# Altium PCB controller_V1.1.PcbDoc (part 4 of 7)
Units mil, origin at the board's own origin, x right, y up, seen from the top; angles counter-clockwise.
Board outline 9606 x 5905.51 mil, 2 copper layers (Top Layer, Bottom Layer); 439 components, 370 nets, 1496 pads, 8411 vias.
Unrouted connection lines stored in the file: 1.
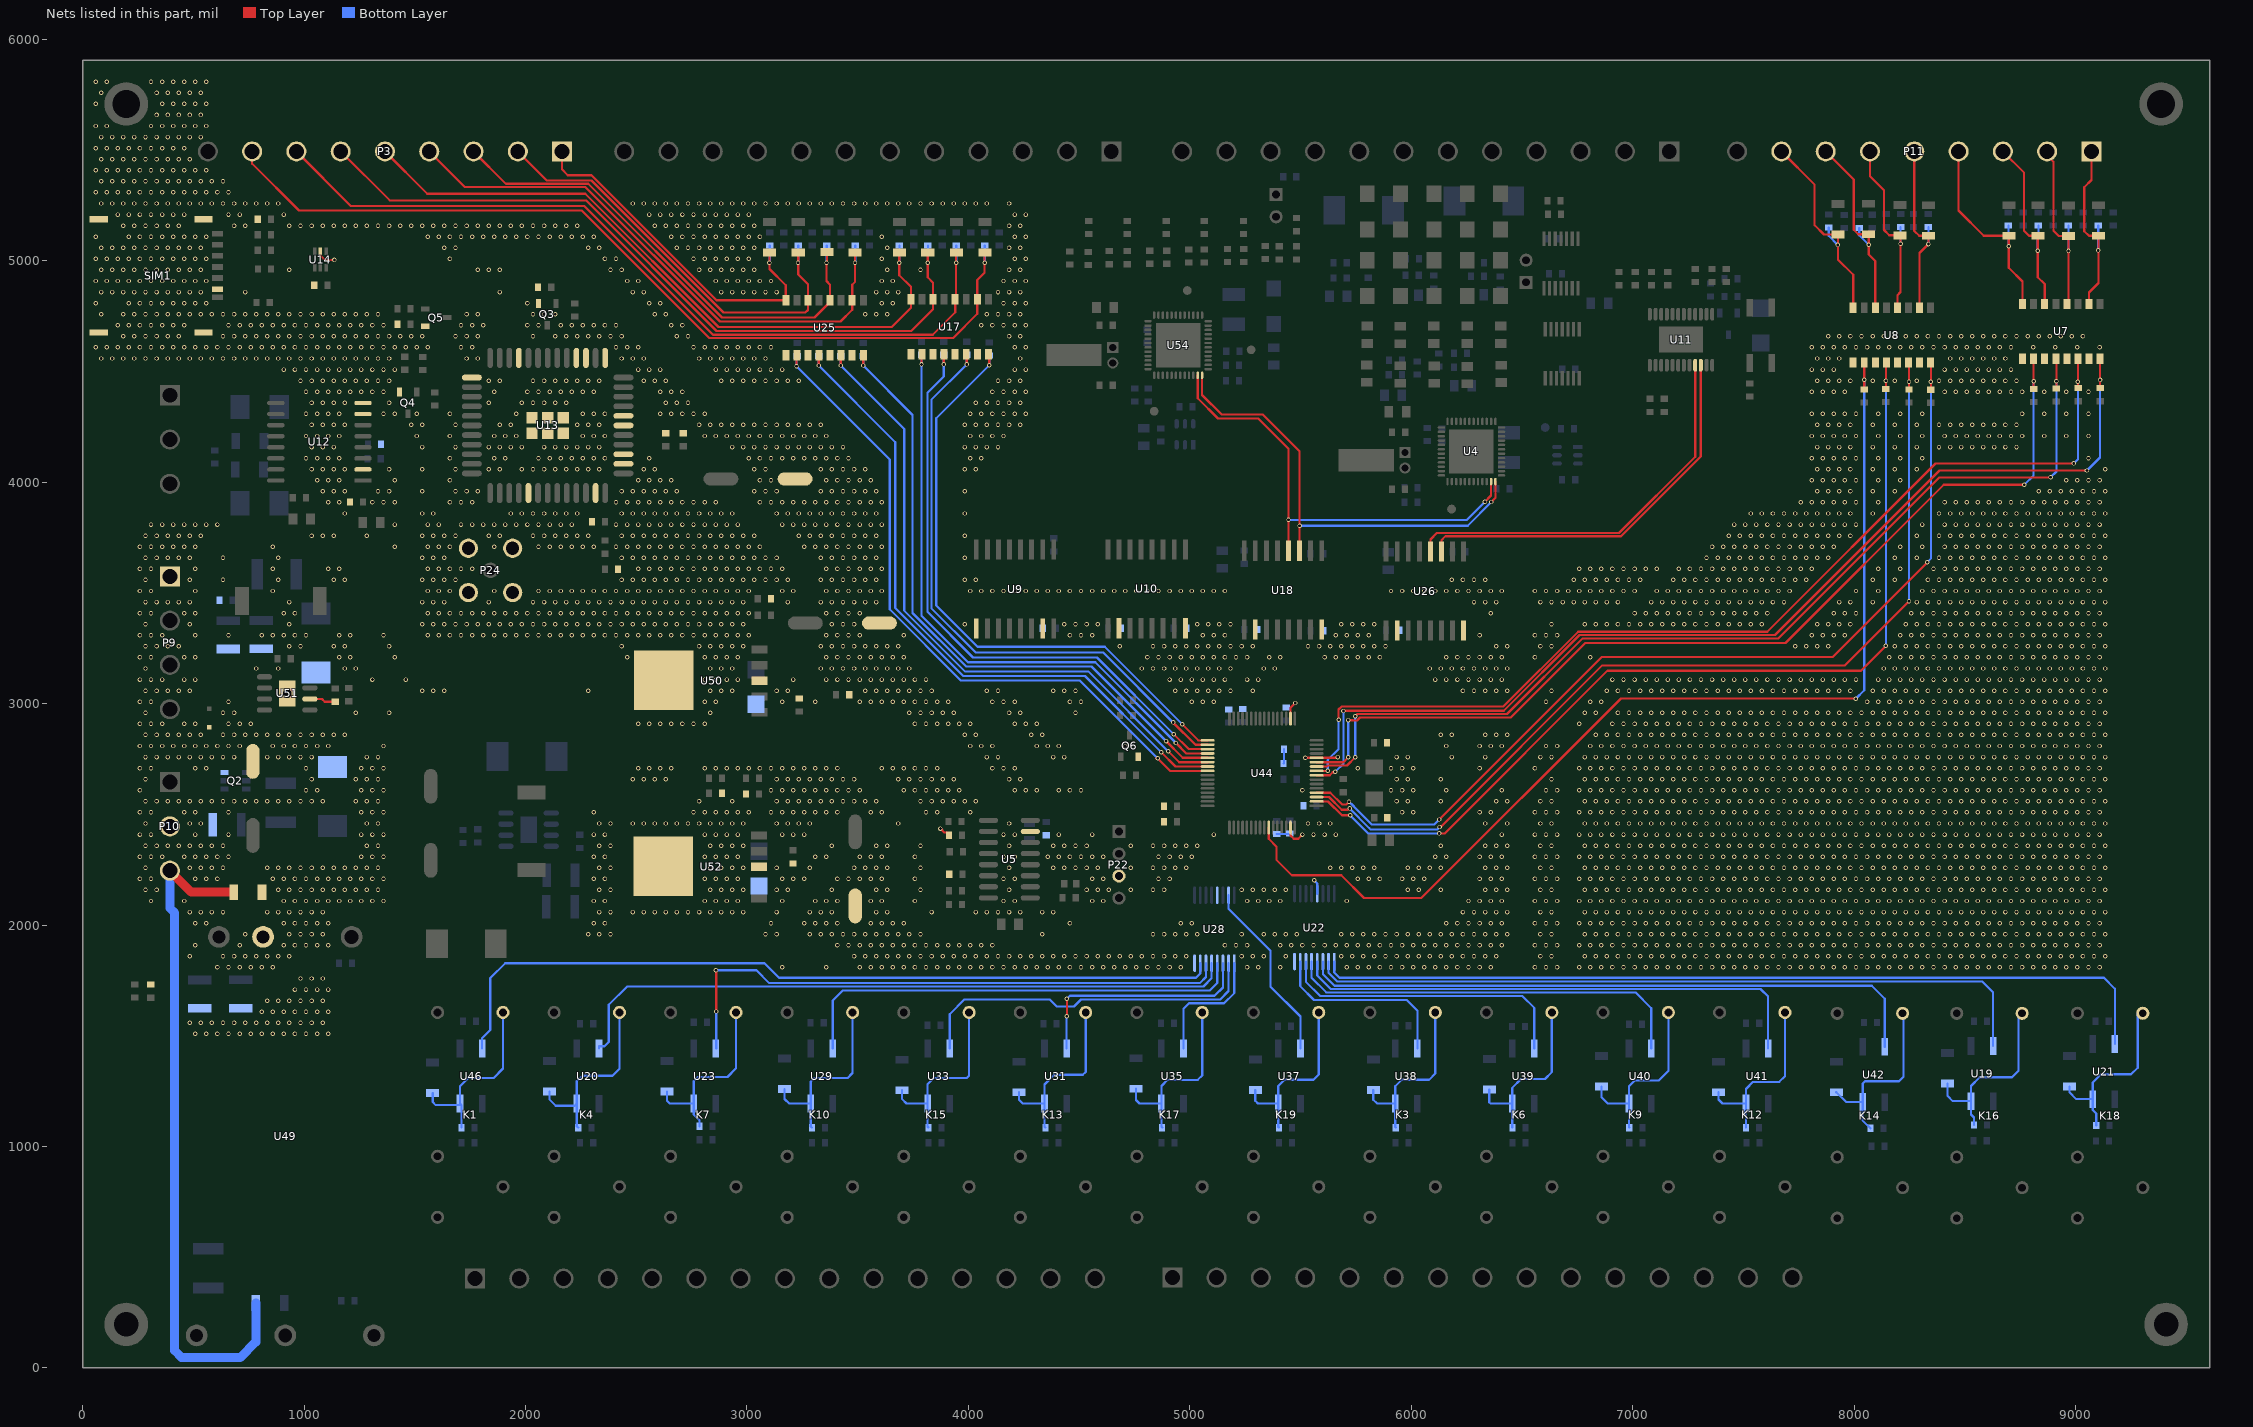
[diagram p4: the nets of this part, all layers, seen from the top]

## Via types
v1: diameter 20, hole 12, Top Layer to Bottom Layer, tented both sides, 8291 vias
v2: diameter 23.62, hole 11.81, Top Layer to Bottom Layer, 50 vias
v3: diameter 40, hole 25, Top Layer to Bottom Layer, tented both sides, 48 vias
v4: diameter 30, hole 20, Top Layer to Bottom Layer, tented both sides, 16 vias
v5: diameter 60, hole 40, Top Layer to Bottom Layer, tented both sides, 4 vias
v6: diameter 59.06, hole 39.37, Top Layer to Bottom Layer, 2 vias

## Nets (pads, with @x,y where several pads share a name; then routed paths per layer and width w, separated by ;. In a path a pad name is that pad's centre, name@x,y a point inside that pad or via, vN(x,y) a via of type N, cw(c..) or ccw(c..) an arc to the next point about the centre after c; other vN are vias at no path point) (continued)
DI_0: C108.2 D4.1 P3.4 U25.2 | length 2593.7
  Top Layer w10: P3.4@1565.35,5494 1726.35,5333 2271,5333 2878,4726 3423,4726 3475.5,4778.5 U25.2@3475.5,4822.11 3475.5,4892.5 3488.61,4905.61 D4.1@3488.61,5038.21
  Bottom Layer w10: v1(3488.18,4990.97) 3489.18,4991.97 C108.2@3489.18,5069.06
DI_1: C56.2 D13.1 P3.3 U25.4 | length 2260.1
  Top Layer w10: P3.3@1765.35,5494 1911.35,5348 2283,5348 2887,4744 3305.27,4744 3375.5,4814.24 U25.4@3375.5,4822.11 3375.5,4892.5 3359.32,4908.68 v1(3359.32,4990.97) ; v1@3361.61,4990.97 D13.1@3361.61,5039.21
  Bottom Layer w10: v1(3359.32,4990.97) 3360.32,4991.97 C56.2@3360.32,5069.06
DI_2: C63.2 D14.1 P3.2 U25.6 | length 1973.3
  Top Layer w10: P3.2@1965.35,5494 2096.35,5363 2298,5363 2894.6,4766.4 3264,4766.4 3275.5,4777.91 U25.6@3275.5,4822.11 3275.5,4894.5 3231.61,4938.39 D14.1@3231.61,5038.21
  Bottom Layer w10: v1(3230.46,4990.97) 3231.46,4991.97 C63.2@3231.46,5069.06
DI_3: C65.2 D15.1 P3.1 U25.8 | length 1661.3
  Top Layer w10: P3.1@2165.35,5494 2165.35,5412.65 2191,5387 2297.67,5387 2862.56,4822.11 U25.8@3175.5,4822.11 3175.5,4889.5 3101.61,4963.39 D15.1@3101.61,5038.21
  Bottom Layer w10: v1(3101.61,4990.97) 3102.61,4991.97 C65.2@3102.61,5069.06
DI_4: C76.2 D45.1 P3.8 U17.2 | length 4071.9
  Top Layer w10: P3.8@765.35,5494 765.35,5438.65 977,5227 2254,5227 2829.41,4651.59 3931.44,4651.59 4040.5,4760.65 U17.2@4040.5,4827.11 4040.5,4913.5 4073.32,4946.32 v1(4073.32,4990.97) 4073.32,5036.93 D45.1@4074.61,5038.21
  Bottom Layer w10: v1(4073.32,4990.97) 4074.32,4991.97 C76.2@4074.32,5069.06
DI_5: C78.2 D16.1 P3.7 U17.4 | length 3709.9
  Top Layer w10: P3.7@965.35,5494 1211.35,5248 2265,5248 2846.41,4666.59 3839.51,4666.59 3940.5,4767.59 U17.4@3940.5,4827.11 3944.75,4831.36 v1(3944.75,4990.97) 3944.75,5036.36 D16.1@3946.61,5038.21
  Bottom Layer w10: v1@3945.75,4991.97 C78.2@3945.75,5069.06
DI_6: C79.2 D17.1 P3.6 U17.6 | length 3397.3
  Top Layer w10: P3.6@1165.35,5494 1386.35,5273 2273,5273 2863,4683 3742,4683 3840.5,4781.5 U17.6@3840.5,4827.11 3840.5,4901.5 3816.18,4925.82 v1(3816.18,4990.97) 3816.18,5037.78 D17.1@3816.61,5038.21
  Bottom Layer w10: v1(3816.18,4990.97) 3817.18,4991.97 C79.2@3817.18,5069.06
DI_7: C80.2 D18.1 P3.5 U17.8 | length 3090.2
  Top Layer w10: P3.5@1365.35,5494 1556.35,5303 2270,5303 2871.67,4701.33 3653.41,4701.33 3740.5,4788.42 U17.8@3740.5,4827.11 3740.5,4882.5 3687.61,4935.39 v1(3687.61,4990.97) 3687.61,5037.21 D18.1@3688.61,5038.21
  Bottom Layer w10: v1(3687.61,4990.97) 3688.61,4991.97 C80.2@3688.61,5069.06
DI_8: C16.2 D36.1 P11.1 U7.2 | length 884.9
  Top Layer w10: U7.2@9061,4805.03 9061,4857 9104,4900 D36.1@9104,5113.1 9060.9,5113.1 9040,5134 9040,5333 9072,5365 P11.1@9072,5494.02
  Bottom Layer w10: v1(9103.29,5046.89) C16.2@9103.29,5160
DI_9: C19.2 D37.1 P11.2 U7.4 | length 871.9
  Top Layer w10: P11.2@8872,5494.02 8872,5476.02 8900.14,5447.88 8900.14,5136.86 8925.43,5111.57 D37.1@8968.35,5111.57 8968.35,4812.38 U7.4@8961,4805.03
  Bottom Layer w10: v1@8967.86,5045.14 C19.2@8967.86,5160
  other v1: 8968.35,5044.65
DI_10: C22.2 D38.1 P11.3 U7.6 | length 905.6
  Top Layer w10: P11.3@8672,5494.02 8768,5398.02 8768,5135 8789.9,5113.1 D38.1@8830,5113.1 8830,4926 8861,4895 U7.6@8861,4805.03
  Bottom Layer w10: v1(8830,5046.17) 8830,5126 8832.43,5128.43 C22.2@8832.43,5160
DI_11: C24.2 D39.1 P11.4 U7.8 | length 967.1
  Top Layer w10: P11.4@8472,5494.02 8472,5227 8585.9,5113.1 D39.1@8699,5113.1 8699,4969 8761,4907 U7.8@8761,4805.03
  Bottom Layer w10: v1@8697,5067.86 C24.2@8697,5160
  other v1: 8699,5065.86
DI_12: C18.2 D40.1 P11.5 U8.2 | length 848.9
  Top Layer w10: P11.5@8272,5494.02 8272,5135 8293.9,5113.1 D40.1@8336,5113.1 v1(8336,5075.8) 8296,5035.8 U8.2@8296,4789
  Bottom Layer w10: v1(8336,5075.8) C18.2@8336,5151.94
DI_13: C20.2 D41.1 P11.6 U8.4 | length 872.9
  Top Layer w10: P11.6@8072,5494.02 8072,5382 8135,5319 8135,5139 8158.9,5115.1 D41.1@8208,5115.1 8210,5113.1 v1(8210,5076.86) 8210,4859 8196,4845 U8.4@8196,4789
  Bottom Layer w10: v1(8210,5076.86) C20.2@8210,5153
DI_14: C23.2 D42.1 P11.7 U8.6 | length 918.1
  Top Layer w10: P11.7@7872,5494.02 7999,5367.02 7999,5140 8018.9,5120.1 D42.1@8066,5120.1 8066,5029 8096,4999 U8.6@8096,4789
  Bottom Layer w10: C23.2@8023.68,5148 8023.68,5115.18 v1(8066,5072.86)
DI_15: C26.2 D43.1 P11.8 U8.8 | length 972.4
  Top Layer w10: P11.8@7672,5494.02 7822,5344.02 7822,5161 7863.9,5119.1 D43.1@7927,5119.1 7927,5006 7996,4937 U8.8@7996,4789
  Bottom Layer w10: C26.2@7885.68,5151 7885.68,5113.18 v1(7927,5071.86)
DI_IN0: R82.2 U25.16 U44.37 | length 2904.2
  Top Layer w10: v1(3525,4527.18) U25.16@3525,4574.32 ; v1(4892.84,2831.16) 4968.46,2755.54 U44.37@5080.83,2755.54
  Bottom Layer w10: R82.2@3525,4570.73 v1(3525,4527.18) 3748,4304.17 3748,3410 3990,3168 4556,3168 v1(4892.84,2831.16)
DI_IN1: R87.2 U25.14 U44.38 | length 2970.6
  Top Layer w10: v1(3423.5,4527.18) U25.14@3423.5,4574.32 ; v1(4903,2785) 4952.15,2735.85 U44.38@5080.83,2735.85
  Bottom Layer w10: R87.2@3423.5,4570.73 v1(3423.5,4527.18) 3710,4240.68 3710,3420.28 3984.28,3146 4541,3146 4902,2785 v1(4903,2785)
DI_IN2: R93.2 U25.12 U44.39 | length 3036.5
  Top Layer w10: v1(3324.06,4527.18) U25.12@3324.06,4574.32 ; v1(4871,2781) 4935.83,2716.17 U44.39@5080.83,2716.17
  Bottom Layer w10: R93.2@3324.06,4570.73 v1(3324.06,4527.18) 3670,4181.24 3670,3432 3977,3125 4527,3125 v1(4871,2781)
DI_IN3: R97.2 U25.10 U44.40 | length 3112.7
  Top Layer w10: v1(3224,4524) U25.10@3224,4571.14 ; v1@4847.75,2752.83 v1(4854.82,2752.83) 4911.17,2696.48 U44.40@5080.83,2696.48
  Bottom Layer w10: R97.2@3227.18,4570.73 3224,4567.56 v1(3224,4524) 3645,4103 3645,3426 3966,3105 4502.65,3105 v1(4854.82,2752.83)
DI_IN4: R109.2 U17.16 U44.33 | length 2758
  Top Layer w10: U17.16@4090.5,4579.08 4094,4575.58 v1(4094,4528.44) ; v1(4966,2907) 5038.72,2834.28 U44.33@5080.83,2834.28
  Bottom Layer w10: R109.2@4094,4572 v1(4094,4528.44) 3855,4289.44 3855,3443 4041,3257 4616,3257 v1(4966,2907)
DI_IN5: R114.2 U17.14 U44.34 | length 2761.3
  Top Layer w10: v1(3993,4532.18) U17.14@3993,4579.32 ; v1(4924.62,2915.38) 5025.41,2814.59 U44.34@5080.83,2814.59
  Bottom Layer w10: R114.2@3993,4575.73 v1(3993,4532.18) 3833,4372.18 3833,3431 4033,3231 4609,3231 v1(4924.62,2915.38)
DI_IN6: R116.2 U17.12 U44.35 | length 2761.2
  Top Layer w10: v1(3888.94,4532.18) U17.12@3888.94,4579.32 ; v1(4927.54,2862.46) 4995.09,2794.91 U44.35@5080.83,2794.91
  Bottom Layer w10: R116.2@3888.94,4575.73 v1(3888.94,4532.18) 3888.94,4477.94 3815,4404 3815,3415 4021,3209 4581,3209 v1(4927.54,2862.46)
DI_IN7: R118.2 U17.10 U44.36 | length 2776.1
  Top Layer w10: v1(3788.47,4532.18) U17.10@3788.47,4579.32 ; v1(4937.48,2822.31) 4984.57,2775.22 U44.36@5080.83,2775.22
  Bottom Layer w10: R118.2@3788.47,4575.73 v1(3788.47,4532.18) 3788.47,3396.53 3998,3187 4572.79,3187 v1(4937.48,2822.31)
DI_IN8: R10.2 U7.16 U44.8 | length 4754.5
  Top Layer w10: U44.8@5572.95,2676.8 5614.92,2676.8 5615.24,2676.48 5631.8,2676.48 5645.41,2690.09 5655.09,2690.09 v1(5657,2692) ; v1(5694,2967) 5695,2968 6418.21,2968 6760.21,3310 7643.21,3310 8386.21,4053 v1(9051.72,4053) ; U7.16@9111,4557 v1(9111,4462.1) 9111,4426.06 R10.2@9112,4425.06
  Bottom Layer w10: v1(5657,2692) 5694,2729 v1(5694,2967) ; v1(9051.72,4053) 9111,4112.28 v1(9111,4462.1)
DI_IN9: R16.2 U7.14 U44.9 | length 4638.2
  Top Layer w10: U44.9@5572.95,2696.48 v1(5623.52,2696.48) ; v1(5672,2928) 5672,2973.28 5685.72,2987 6416,2987 6754,3325 7608,3325 8368,4085 v1(8991.89,4085) ; U7.14@9011,4557 v1(9011,4454.68) 9011,4427.06 R16.2@9013,4425.06
  Bottom Layer w10: v1(5623.52,2696.48) 5623.52,2746.24 5672,2794.72 v1(5672,2928) ; v1(8991.89,4085) 9011,4104.11 v1(9011,4454.68)
DI_IN10: R32.2 U7.12 U44.10 | length 4545.5
  Top Layer w10: U44.10@5572.95,2716.17 5618.33,2716.17 5623.01,2720.85 5709.85,2720.85 v1(5747,2758) ; v1(5747,2944) 5748.86,2944 5757.86,2953 6433,2953 6775,3295 7659,3295 8386,4022 v1(8887.53,4022) ; U7.12@8911,4557 8914,4554 v1(8914,4456.97) R32.2@8914,4423.06
  Bottom Layer w10: v1(5747,2758) v1(5747,2944) ; v1(8887.53,4022) 8914,4048.47 v1(8914,4456.97)
DI_IN11: R34.2 U7.10 U44.11 | length 4436.9
  Top Layer w10: U44.11@5572.95,2735.85 5693.85,2735.85 v1(5716,2758) ; v1(5715,2926) 5716,2925 5737.72,2925 5738.72,2924 5755.28,2924 5768.78,2937.5 6449.5,2937.5 6786,3274 7690,3274 8405,3989 v1(8769.03,3989) ; U7.10@8811,4557 v1(8811,4456.97) 8811,4423.06 R34.2@8812,4422.06
  Bottom Layer w10: v1(5716,2758) v1@5716,2926 ; v1(8769.03,3989) 8811,4030.97 v1(8811,4456.97)
DI_IN12: R36.2 U8.16 U44.4 | length 4264.3
  Top Layer w10: U44.4@5572.95,2598.06 5634.94,2598.06 5688,2545 5707,2545 v1(5719,2557) ; v1(6127,2477) 6861,3211 7904,3211 v1@8331.06,3638.06 ; U8.16@8346,4540.97 8347,4539.97 v1(8347,4454.67) R36.2@8347,4418
  Bottom Layer w10: v1(5719,2557) 5719.86,2557 5729.86,2547 5730.28,2547 5742,2535.28 5742,2534 5821,2455 6105,2455 v1(6127,2477) ; v1(8330.47,3638.66) 8347,3655.19 v1(8347,4454.67)
DI_IN13: R41.2 U8.14 U44.3 | length 4271.6
  Top Layer w10: U44.3@5572.95,2578.37 5628.63,2578.37 5686,2521 5713.29,2521 ; v1(6128,2443) 6130.71,2443 6135.71,2448 6138,2448 6863,3173 7959,3173 v1(8248,3462) ; U8.14@8246,4540.97 8248,4538.97 v1(8248,4454.67) R41.2@8248,4419
  Bottom Layer w10: v1(5722,2527) 5811,2438 5811,2437.86 5816.86,2432 6117,2432 v1(6128,2443) ; v1(8248,3462) v1(8248,4454.67)
DI_IN14: R43.2 U8.12 U44.2 | length 4299.3
  Top Layer w10: U44.2@5572.95,2558.69 5624.6,2558.69 5687.28,2496 v1(5724,2496) ; v1(6126,2414) 6151,2414 6886,3149 8031,3149 v1(8143.81,3261.81) v1@8144,3262 ; R43.2@8144,4421 v1(8144,4458.06) 8144,4538.97 U8.12@8146,4540.97
  Bottom Layer w10: v1(5724,2496) 5806,2414 v1(6126,2414) ; v1(8143.81,3261.81) 8144,3262 v1(8144,4458.06)
DI_IN15: R47.2 U8.10 U44.58 | length 4799.9
  Top Layer w10: U44.58@5356.42,2440.57 5356.42,2389.58 5391,2355 5391,2295 5461,2225 5684,2225 5787,2122 6046,2122 6947,3023 v1(8008.41,3023) ; R47.2@8046,4419 v1(8046,4463.15) U8.10@8046,4540.97
  Bottom Layer w10: v1(8008.41,3023) 8046,3060.59 v1(8046,4463.15)
DIN: U4.23 U18.12 U54.23 | length 2092.5
  Top Layer w10: U54.23@5035.75,4483.17 5035.75,4379.25 5127,4288 5309,4288 5445.85,4151.15 v1(5445.85,3830.02) U18.12@5445.85,3690.9 ; v1(6333,3912) 6360.75,3939.75 U4.23@6360.75,4003.17
  Bottom Layer w10: v1(5445.85,3830.02) 6251.02,3830.02 v1(6333,3912)
DIN_AO: U11.9 U26.12 | length 1818.8
  Top Layer w10: U26.12@6086.85,3686.87 6086.85,3741.85 6116,3771 6938,3771 7282.51,4115.51 U11.9@7282.51,4528.84
DM: U13.3
DO_0: C90.1 D49.1 K1.5 U46.4 | length 846.4
  Bottom Layer w10: D49.1@1580.85,1241.1 1580.85,1201.15 1594.94,1187.06 U46.4@1710.8,1187.06 ; C90.1@1710.8,1085.65 U46.4@1710.8,1187.06 ; K1.5@1898.13,1605.61 1898.13,1352.13 1856,1310 1741,1310 1703.85,1272.85 U46.4@1703.85,1194 U46.4@1710.8,1187.06
DO_1: C88.1 D20.1 K4.5 U20.4 | length 857.2
  Bottom Layer w10: D20.1@2107.85,1248.1 2107.85,1213.15 2137,1184 2221.85,1184 U20.4@2231.85,1194 ; C88.1@2238.21,1085.65 2231.85,1092.01 U20.4@2231.85,1194 ; K4.5@2424.45,1605.61 2424.46,1351.46 2393,1320 2257,1320 2231.85,1294.85 U20.4@2231.85,1194
DO_2: C91.1 D23.1 K7.5 U23.4 | length 850.3
  Bottom Layer w10: D23.1@2638.85,1248.1 2638.85,1206.15 2651,1194 U23.4@2759.85,1194 ; C91.1@2786,1091 2786,1119 2759.85,1145.15 U23.4@2759.85,1194 ; K7.5@2950.8,1605.61 2950.8,1353 2911.8,1314 2779,1314 2759.85,1294.85 U23.4@2759.85,1194
DO_3: C93.1 D24.1 K10.5 U29.4 | length 860.1
  Bottom Layer w10: D24.1@3169.85,1260.1 3169.85,1215.15 3191,1194 U29.4@3287.85,1194 ; C93.1@3293.03,1085.65 3287.85,1090.83 U29.4@3287.85,1194 ; K10.5@3477.14,1605.61 3477.14,1332.14 3454,1309 3304,1309 3287.85,1292.85 U29.4@3287.85,1194
DO_4: C95.1 D25.1 K13.5 U31.4 | length 830.4
  Bottom Layer w10: D25.1@4228.85,1245.1 4228.85,1211 4245.85,1194 U31.4@4343.85,1194 ; C95.1@4347.85,1085.65 4343.85,1089.66 U31.4@4343.85,1194 ; K13.5@4529.82,1605.61 4529.82,1336.82 4517,1324 4388,1324 4343.85,1279.85 U31.4@4343.85,1194
DO_5: C98.1 D27.1 K15.5 U33.4 | length 850.2
  Bottom Layer w10: D27.1@3700.85,1254.1 3700.85,1214.15 3721,1194 U33.4@3815.85,1194 ; C98.1@3820.44,1085.65 3815.85,1090.24 U33.4@3815.85,1194 ; K15.5@4003.48,1605.61 4003.48,1320.48 3992,1309 3843,1309 3815.85,1281.85 U33.4@3815.85,1194
DO_6: C102.1 D28.1 K17.5 U35.4 | length 850.6
  Bottom Layer w10: D28.1@4756.85,1261.1 4756.85,1210.15 4773,1194 U35.4@4871.85,1194 ; C102.1@4875.26,1085.65 4871.85,1089.07 U35.4@4871.85,1194 ; K17.5@5056.16,1605.61 5056.16,1321.16 5036,1301 4899,1301 4871.85,1273.85 U35.4@4871.85,1194
DO_7: C104.1 D29.1 K19.5 U37.4 | length 831.5
  Bottom Layer w10: D29.1@5295.85,1255.1 5295.85,1206.15 5308,1194 U37.4@5399.85,1194 ; C104.1@5402.68,1085.65 5399.85,1088.48 U37.4@5399.85,1194 ; K19.5@5582.5,1605.61 5582.5,1325.5 5559,1302 5428,1302 5399.85,1273.85 U37.4@5399.85,1194
DO_8: C106.1 D30.1 K3.5 U38.4 | length 818.5
  Bottom Layer w10: D30.1@5828.85,1255.1 5828.85,1211.15 5846,1194 U38.4@5927.85,1194 ; C106.1@5930.09,1085.65 5927.85,1087.8 U38.4@5927.85,1194 ; K3.5@6108.83,1605.61 6108.83,1329.83 6081,1302 5957,1302 5927.85,1272.85 U38.4@5927.85,1194
DO_9: C107.1 D31.1 K6.5 U39.4 | length 820.8
  Bottom Layer w10: D31.1@6352.85,1257.1 6352.85,1200.15 6359,1194 U39.4@6455.85,1194 ; C107.1@6457.5,1085.65 6455.85,1087.3 U39.4@6455.85,1194 ; K6.5@6635.17,1605.61 6635.17,1336 6604.17,1305 6496,1305 6455.85,1264.85 U39.4@6455.85,1194
DO_10: C109.1 D32.1 K9.5 U40.4 | length 841.9
  Bottom Layer w10: D32.1@6859.85,1271.1 6859.85,1222.15 6888,1194 U40.4@6983.85,1194 ; C109.1@6984.91,1085.65 6983.85,1086.71 U40.4@6983.85,1194 ; K9.5@7161.51,1605.61 7161.51,1341.51 7118,1298 7010,1298 6983.85,1271.85 U40.4@6983.85,1194
DO_11: C110.1 D33.1 K12.5 U41.4 | length 826.6
  Bottom Layer w10: D33.1@7387.85,1245.1 7387.85,1212.15 7406,1194 U41.4@7511.85,1194 ; C110.1@7512.32,1085.65 7511.85,1086.13 U41.4@7511.85,1194 ; K12.5@7687.85,1605.61 7687.85,1317.85 7662,1292 7544,1292 7511.85,1259.85 U41.4@7511.85,1194
DO_12: C111.1 D34.1 K14.5 U42.4 | length 831.9
  Bottom Layer w10: D34.1@7920,1245.35 7964.21,1201.15 U42.4@8039,1201.15 ; C111.1@8073.95,1082.15 8039,1117.09 U42.4@8039,1201.15 ; K14.5@8223.28,1595.76 8223.28,1315.28 8203,1295 8049,1295 8039,1285 U42.4@8039,1201.15
DO_13: C87.1 D19.1 K16.5 U19.4 | length 849.3
  Bottom Layer w10: D19.1@8422,1284.35 8422,1229 8445.85,1205.15 U19.4@8528,1205.15 ; C87.1@8542,1097.15 8542,1131 8528,1145 U19.4@8528,1205.15 ; K16.5@8742.28,1595.76 8742.28,1342.28 8713,1313 8568,1313 8528,1273 U19.4@8528,1205.15
DO_14: C89.1 D21.1 K18.5 U21.4 | length 823
  Bottom Layer w10: D21.1@8973,1271.25 8973,1245 9003.85,1214.15 U21.4@9078,1214.15 ; C89.1@9094,1095.15 9094,1149 9078,1165 U21.4@9078,1214.15 ; K18.5@9281.28,1603.61 9281.28,1356.28 9251,1326 9115,1326 9078,1289 U21.4@9078,1214.15
DO_CTRL_0: U28.7 U46.2 | length 3649.4
  Bottom Layer w10: U46.2@1803.85,1443 1803.85,1488.85 1841,1526 1841,1761 1908,1828 3079,1828 3145,1762 5028,1762 5047.26,1781.26 U28.7@5047.26,1827.91
DO_CTRL_1: U23.2 U28.6 | length 2674.4
  Top Layer w10: v1(2860,1796) 2861,1795 2861,1706 ; v1(2861,1610) 2861,1706 ; 2861,1716 2861,1706
  Bottom Layer w10: U23.2@2859.85,1443 2861,1444.15 v1(2861,1610) ; v1(2860,1796) 3043,1796 3101,1738 5045,1738 5072.85,1765.85 U28.6@5072.85,1827.91
DO_CTRL_2: U20.2 U28.5 | length 3070.4
  Bottom Layer w10: U20.2@2331.85,1443 2331.85,1453 2357,1453 2376,1472 2376,1640 2459,1723 3196,1723 5062,1723 5098.44,1759.44 U28.5@5098.44,1827.91
DO_CTRL_3: U28.4 U29.2 | length 2074.7
  Bottom Layer w10: U29.2@3387.85,1443 3387.85,1659.85 3433,1705 5090,1705 5124.03,1739.03 U28.4@5124.03,1827.91
DO_CTRL_4: U28.3 U31.2 | length 1058.1
  Top Layer w10: v1@4445,1589 v1(4445,1667)
  Bottom Layer w10: U31.2@4443.85,1443 v1(4443.85,1587.85) ; v1(4445,1667) 4459,1681 5112,1681 5149.62,1718.62 U28.3@5149.62,1827.91
DO_CTRL_5: U28.2 U33.2 | length 1609.7
  Bottom Layer w10: U33.2@3915.85,1443 3915.85,1597.85 3982,1664 4277,1664 4367,1664 4399,1632 4477,1632 4509,1664 5137,1664 5175.21,1702.21 U28.2@5175.21,1827.91
DO_CTRL_6: U28.1 U35.2 | length 572.9
  Bottom Layer w10: U35.2@4971.85,1443 4971.85,1622.85 4996,1647 5155,1647 5200.8,1692.8 U28.1@5200.8,1827.91
DO_CTRL_7: U28.15 U37.2 | length 826.5
  Bottom Layer w10: U28.15@5175.21,2135 5175.21,2073.79 5365,1884 5365,1722 5499.85,1587.15 U37.2@5499.85,1443
DO_CTRL_8: U22.7 U38.2 | length 856.5
  Bottom Layer w10: U22.7@5498.67,1835 5498.67,1724.49 5561.16,1662 5980,1662 6027.85,1614.15 U38.2@6027.85,1443
DO_CTRL_9: U22.6 U39.2 | length 1354.1
  Bottom Layer w10: U22.6@5524.26,1835 5524.26,1744.74 5589,1680 6502,1680 6555.85,1626.15 U39.2@6555.85,1443
DO_CTRL_10: U22.5 U40.2 | length 1845.7
  Bottom Layer w10: U22.5@5549.85,1835 5549.85,1762.15 5615.84,1696.16 7012.84,1696.16 7083.85,1625.15 U40.2@7083.85,1443
DO_CTRL_11: U22.4 U41.2 | length 2372.5
  Bottom Layer w10: U22.4@5575.44,1835 5575.44,1772.56 5636.84,1711.16 7577.84,1711.16 7611.85,1677.15 U41.2@7611.85,1443
DO_CTRL_12: U22.3 U42.2 | length 2857.1
  Bottom Layer w10: U22.3@5601.03,1835 5601.03,1779.13 5654,1726.16 8079.84,1726.16 8139,1667 U42.2@8139,1450.15
DO_CTRL_13: U19.2 U22.2 | length 3330.5
  Bottom Layer w10: U22.2@5626.62,1835 5626.62,1784.38 5666,1745 8579,1745 8628,1696 U19.2@8628,1454.15
DO_CTRL_14: U21.2 U22.1 | length 3855
  Bottom Layer w10: U22.1@5652.21,1835 5652.21,1785.79 5676,1762 9129,1762 9178,1713 U21.2@9178,1463.15
DOUT: U4.24 U18.11 U54.24 | length 2094
  Top Layer w10: U54.24@5055.43,4483.17 5055.43,4394.57 5144,4306 5330,4306 5495.85,4140.15 v1(5495.85,3803.97) U18.11@5495.85,3690.9 ; v1(6362,3911) 6380.43,3929.43 U4.24@6380.43,4003.17
  Bottom Layer w10: v1(5495.85,3803.97) 6254.97,3803.97 v1(6362,3911)
DOUT_AO: U11.10 U26.11 | length 1792
  Top Layer w10: U26.11@6136.85,3686.87 6136.85,3738.51 6154.34,3756 6947.87,3756 7308.1,4116.24 U11.10@7308.1,4528.84
DP: U13.4
EARTH: C15.2 C62.2 P10.3 | length 3088.8
  Top Layer w40: P10.3@393.85,2246 490.85,2149 C15.2@682,2149
  Bottom Layer w40: P10.3@393.85,2246 393.85,2077.15 415,2056 415,79 447,47 711,47 782.05,118.05 C62.2@782.05,293
GND: C9.2 C11.2 C14.2 C15.1 C41.1 C44.2 C45.1 C57.2 C73.2 C113.2 C114.1 C115.1 C116.2 C117.2 C118.1 C119.1 C120.1 C122.1 C123.1 C124.1 C125.1 C126.1 C127.1 C128.1 C134.1 C135.1 C136.1 C140.1 C141.1 C142.2 C143.2 C144.2 C145.2 C146.1 C147.1 C161.1 C163.1 C166.1 C168.1 C169.2 D22.1 D26.1 D69.1 D70.1 D71.1 E147.2 LED2.2 LED17.2 P9.1 P10.2 P22.3 P24.2 P24.3 P24.4 P24.5 Q2.3 Q3.2 Q4.2 Q5.2 Q6.2 R22.2 R76.2 R163.1 R166.1 R181.1 R183.1 R186.1 SIM1.0 SIM1.5 U5.15 U7.9 U7.11 U7.13 U7.15 U8.9 U8.11 U8.13 U8.15 U9.9 U9.15 U10.2 U10.8 U12.2 U12.7 U12.8 U13.1 U13.10 U13.27 U13.34 U13.36 U13.37 U13.40 U13.41 U13.89 U13.90 U13.91 U13.92 U13.93 U13.94 U13.95 U14.2 U17.9 U17.11 U17.13 U17.15 U18.2 U18.8 U22.8 U22.13 U25.9 U25.11 U25.13 U25.15 U26.2 U26.8 U28.8 U28.13 U44.12 U44.18 U44.63 U49.2 U50.3 U50.6 U51.6 U51.9 U52.3 U52.6 | length 785
  Top Layer w10: U51.6@1025.99,3021.33 1080.67,3021.33 1093.05,3008.95 C140.1@1139.85,3008.95 ; U14.2@1074,5042.42 1076.87,5039.54 1076.87,5020.13 1093,5004 v1(1137,5004) ; v1(3874,2436) 3892.27,2417.73 3903.02,2417.73 3911.8,2408.95 C11.2@3911.8,2406 ; U44.63@5454.84,2440.57 5454.84,2404.25 5469.09,2390 5489.75,2390 v1(5508.75,2409) ; U44.18@5454.84,2932.7 5454.84,2981.84 v1(5476,3003) ; v1@5521.53,2756.38 v1(5522.37,2755.54) U44.12@5572.95,2755.54 5662.83,2755.54 5666.29,2759 v1(5669,2759)
  Bottom Layer w10: R22.2@5393,2410.94 5449.94,2410.94 C127.1@5452,2413 ; C120.1@5423.85,2730 5425.95,2732.1 C125.1@5425.95,2795 ; v1(5561.44,2202.04) 5575.44,2188.04 U22.13@5575.44,2142.09